# Altium PCB MiniPC.PcbDoc (part 20 of 23) (continued)
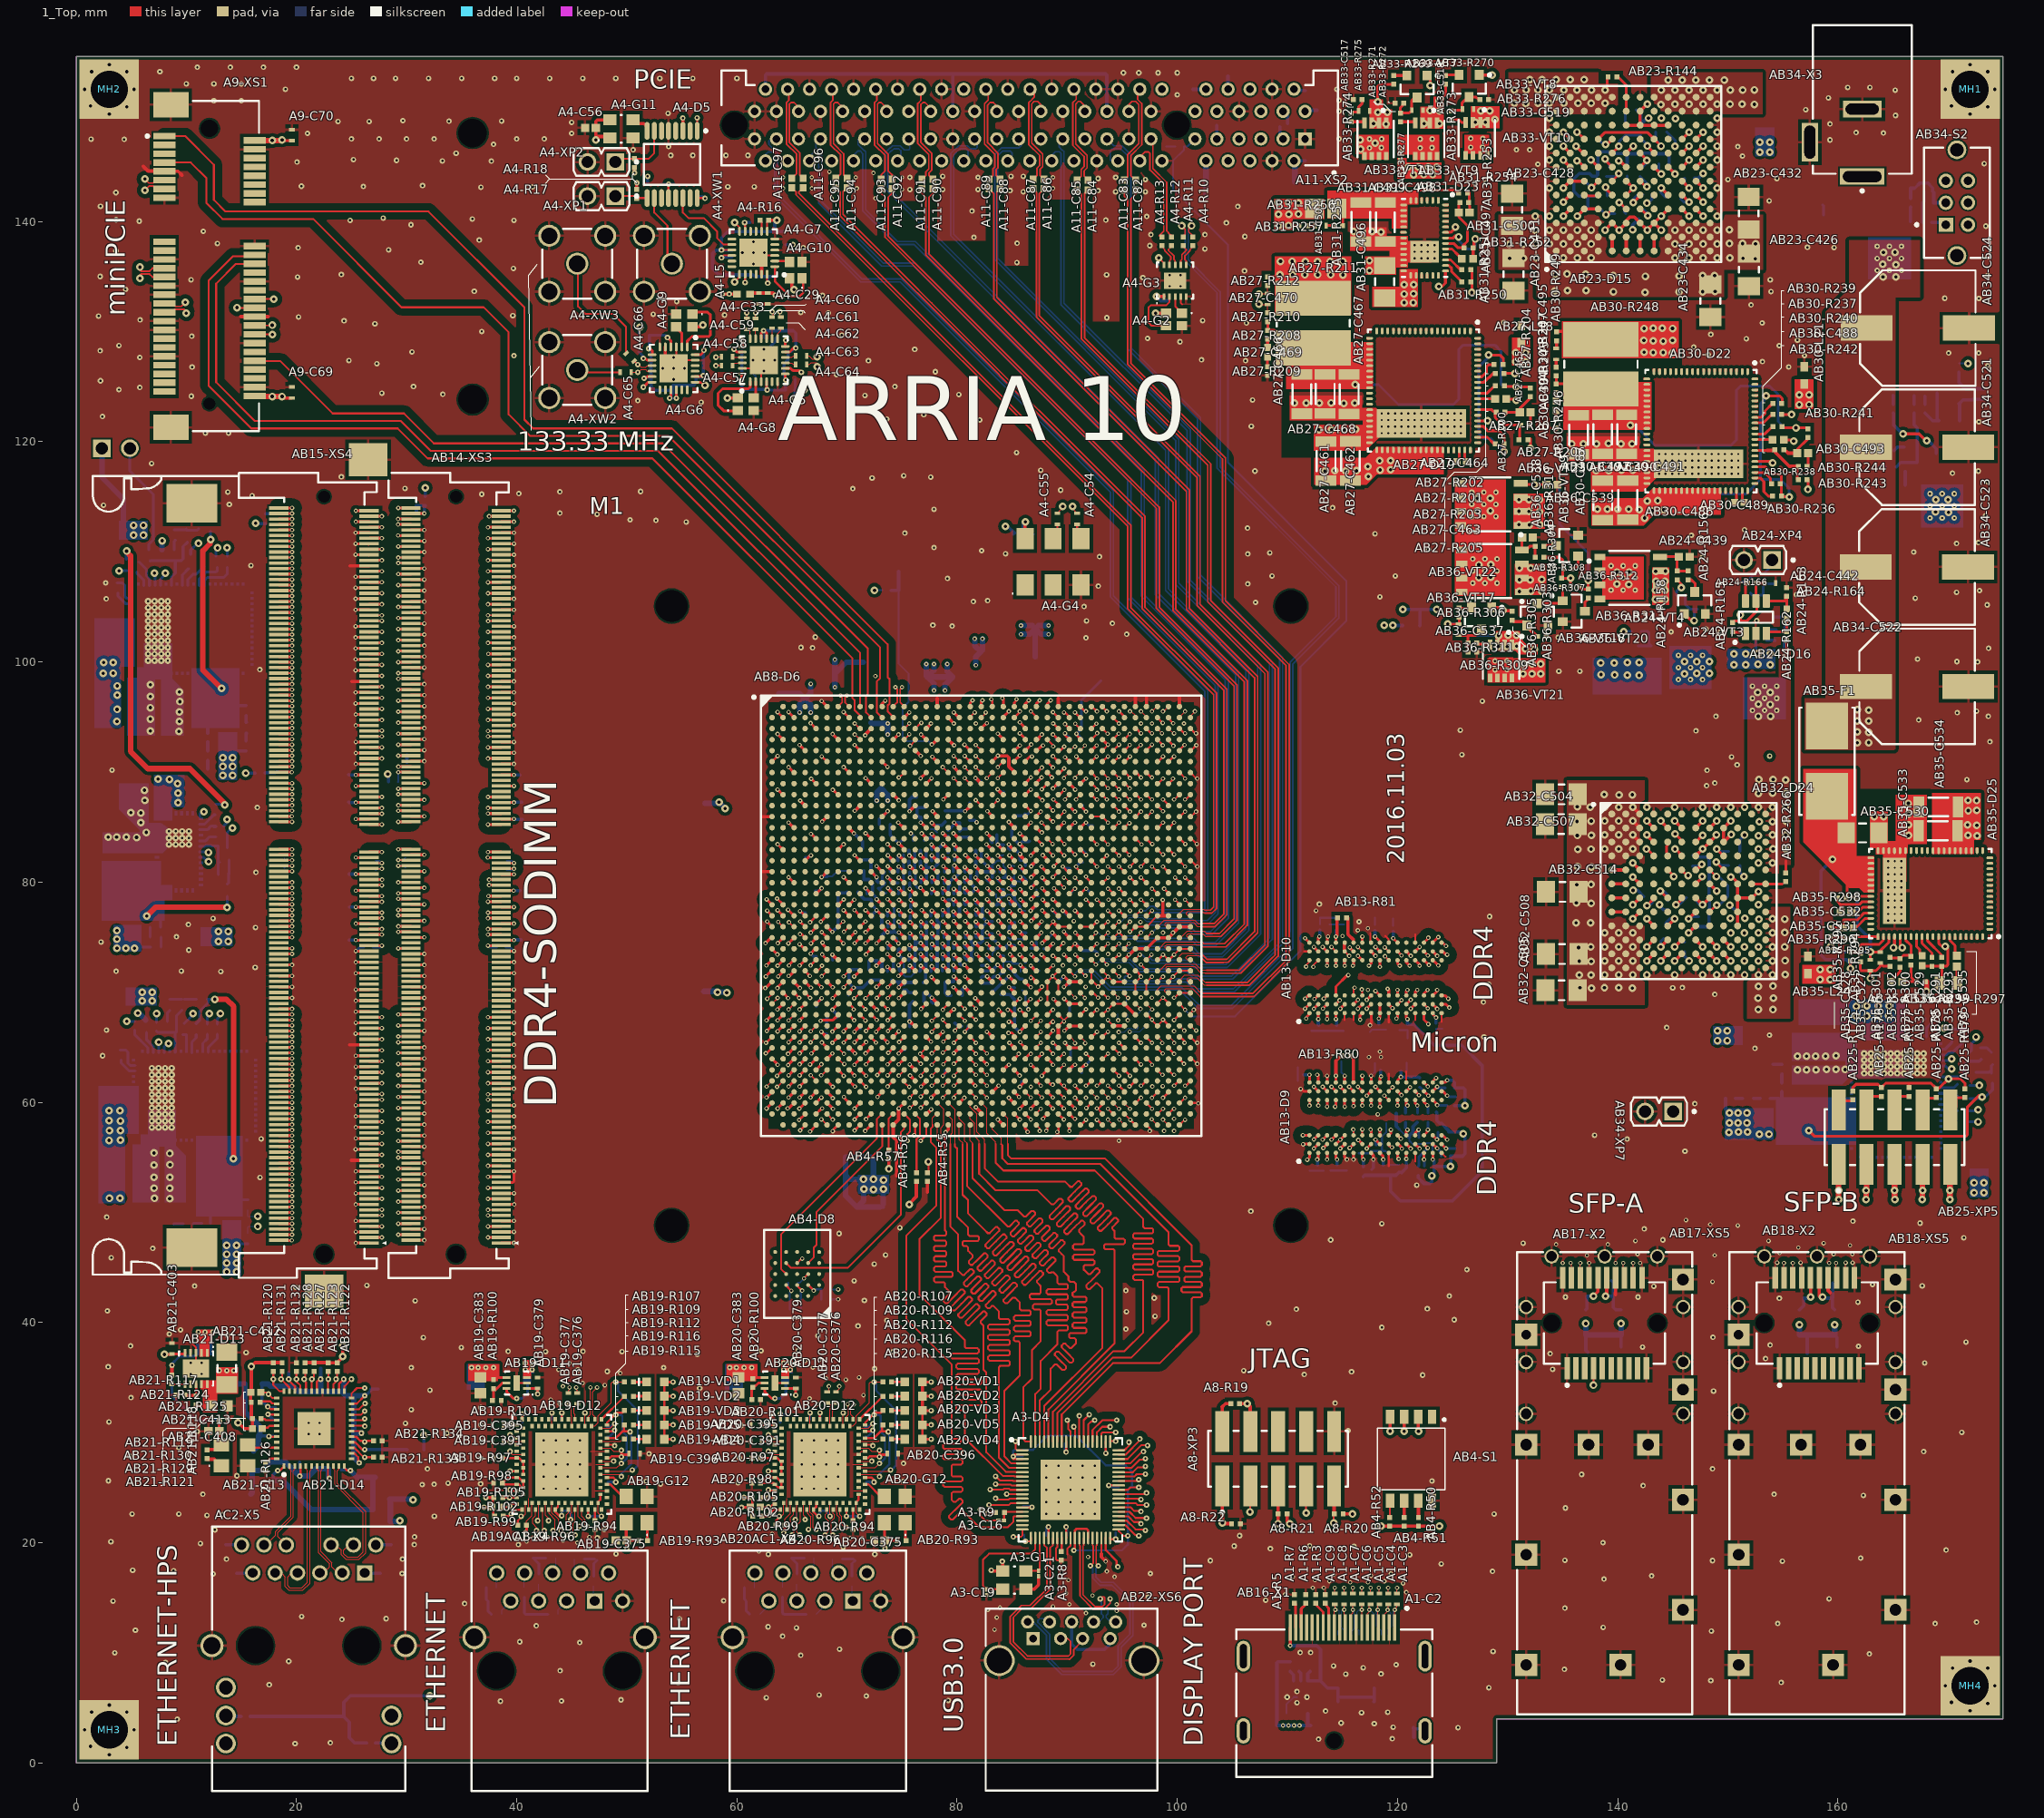
[diagram p0: 1_Top view]
## Nets (pads, with @x,y where several pads share a name; then routed paths per layer and width w, separated by ;. In a path a pad name is that pad's centre, name@x,y a point inside that pad or via, vN(x,y) a via of type N, cw(c..) or ccw(c..) an arc to the next point about the centre after c; other vN are vias at no path point) (continued)
NetAB27-D19_66: AB27-D19.66 AB27-R203.1 | length 1.8
  1_Top w0.25: AB27-D19.66@127.24,124.41 128.145,124.41 AB27-R203.1@128.795,125.06
NetAB27-D19_68: AB27-D19.68 AB27-R201.1 | length 1.7
  1_Top w0.254: AB27-D19.68@127.265,125.395 127.865,125.395 AB27-R201.1@128.665,126.195
NetAB27-D19_69: AB27-D19.69 AB27-R202.2 | length 2.1
  1_Top w0.254: AB27-D19.69@127.265,125.895 127.665,125.895 128.065,126.295 128.065,126.795 128.265,126.995 AB27-R202.2@128.665,126.995
NetAB28-C473_2: AB28-C473.2 AB28-D20.57 | length 1.8
  16_Bottom w0.25: AB28-D20.57@9.65,106.91 9.65,107.91 AB28-C473.2@10.2,108.46
NetAB28-C474_1: AB28-C474.1 AB28-D20.47 | length 2.5
  16_Bottom w0.25: AB28-C474.1@3.7,107.16 4.2,107.16 4.4,106.96 4.4,105.96 4.6,105.76 AB28-D20.47@5.055,105.76
NetAB28-C474_2: AB28-C474.2 AB28-D20.46 | length 1.8
  16_Bottom w0.25: AB28-C474.2@3.8,106.26 3.8,105.96 4.5,105.26 4.8,105.26 AB28-D20.46@5.055,105.26
NetAB28-C475_1: AB28-C475.1 AB28-R218.2 AB28-R219.1 | length 2.3
  16_Bottom w0.25: AB28-C475.1@8.9,112 9.94,112 AB28-R219.1@10,112.06 ; AB28-R219.1@10,111.96 11,111.96 AB28-R218.2@11.1,112.06
NetAB28-C475_2: AB28-C475.2 AB28-R221.1 | length 0.9
  16_Bottom w0.25: AB28-R221.1@8.9,110.2 8.9,110.96 AB28-C475.2@9,111.06
NetAB28-C476_2: AB28-C476.2 AB28-C477.2 AB28-D20.16 AB28-D20.17 AB28-D20.18 AB28-D20.19 AB28-D20.20 AB28-D20.21 AB28-D20.22 AB28-D20.23 AB28-D20.24 AB28-R217.2 AB28-R218.1 AB28-R223.1 AB28-R224.2 AB28-R226.2 | length 19.3
  1_Top w0.5: v2@12.15,111.05 12.15,110.736 11.5,110.086 11.5,99.26 13.18,97.58 v2(13.19,97.58)
  16_Bottom w0.25: AB28-R217.2@11.6,109.86 11.6,110.26 12.2,110.86 v2(12.2,111.1) AB28-R218.1@12.2,111.86
  16_Bottom w0.3: AB28-R223.1@11.94,93.54 11.94,94.975 AB28-C476.2@11.995,95.03 ; 14.36,96.03 AB28-R224.2@15.44,96.03
NetAB28-C478_1: AB28-C478.1 AB28-R223.2 | length 0.8
  16_Bottom w0.3: AB28-R223.2@11.94,92.74 11.94,91.94 AB28-C478.1@11.95,91.93
NetAB28-C478_2: AB28-C478.2 AB28-R225.2 | length 0.8
  16_Bottom w0.3: AB28-C478.2@11.95,91.05 11.95,90.26 AB28-R225.2@11.96,90.25
NetAB28-C479_1: AB28-C479.1 AB28-R227.1 | length 0.7
  16_Bottom w0.3: AB28-R227.1@15.44,92.82 15.44,93.48 AB28-C479.1@15.45,93.49
NetAB28-C479_2: AB28-C479.2 AB28-R224.1 | length 0.6
  16_Bottom w0.3: AB28-R224.1@15.44,95.13 15.44,94.5 AB28-C479.2@15.45,94.49
NetAB28-D20_50: AB28-D20.50 AB28-R215.1 | length 1.5
  16_Bottom w0.25: AB28-R215.1@5.5,108.16 5.5,108.06 6.025,107.535 6.15,107.41 AB28-D20.50@6.15,106.91
NetAB28-D20_51: AB28-D20.51 AB28-R213.1 | length 2.5
  16_Bottom w0.25: AB28-R213.1@5.7,109.06 6.375,108.385 6.375,107.785 6.65,107.51 AB28-D20.51@6.65,106.91
NetAB28-D20_55: AB28-D20.55 AB28-R219.2 AB28-R220.2 AB28-R221.2 AB28-R222.2 | length 7.1
  16_Bottom w0.25: AB28-R222.2@6.7,109.16 6.74,109.2 7.8,109.2 8.9,109.2 9.54,109.2 9.7,109.36 9.7,110.46 AB28-R219.2@10.1,110.86 ; AB28-D20.55@8.65,106.91 8.65,107.71 9,108.06 AB28-R221.2@9,109.16
NetAB28-D20_58: AB28-D20.58 AB28-R217.1 | length 2.5
  16_Bottom w0.25: AB28-D20.58@10.15,106.91 10.15,107.51 10.6,107.96 10.9,107.96 11.6,108.66
NetAB28-D20_60: AB28-D20.60 AB28-R214.1 | length 2.9
  16_Bottom w0.25: AB28-D20.60@11.15,106.91 11.15,107.51 11.8,108.16 12.7,108.16 12.8,108.26 AB28-R214.1@12.8,108.56
NetAB28-D20_61: AB28-D20.61 AB28-R216.2 | length 3.4
  16_Bottom w0.25: AB28-D20.61@11.65,106.91 11.65,107.41 11.9,107.66 13.4,107.66 13.7,107.96 AB28-R216.2@13.7,108.56
NetAB28-R213_2: AB28-R213.2 AB29-R228.1 | length 30.6
  1_Top w0.5: v2(4.572,110.058) 4.572,109.988 4.928,109.632 4.928,91.872 6.5,90.3 10.32,90.3 13.5,87.12 v2(13.5,87)
  16_Bottom w0.25: AB28-R213.2@4.55,109.3 4.55,110.036 v2(4.572,110.058) ; AB29-R228.1@12.7,87.05 13.45,87.05 v2(13.5,87)
NetAB28-R222_1: AB28-R222.1 AB28-XP6.2 | length 10.2
  16_Bottom w0.25: AB28-XP6.2@4.87,119.4 4.87,117.33 7,115.2 7,111.089 6.6,110.689 AB28-R222.1@6.6,110.2
NetAB29-C481_2: AB29-C481.2 AB29-D21.30 | length 1.6
  16_Bottom w0.25: AB29-D21.30@11.225,83.75 11.75,83.75 12.1,84.1 AB29-C481.2@12.69,84.1 AB29-C481.2@12.7,84.1
NetAB29-C484_1: AB29-C484.1 AB29-D21.31 AB29-R230.2 AB29-R231.1 | length 4.5
  16_Bottom w0.25: AB29-D21.31@11.225,83.25 11.666,83.25 11.741,83.325 12.259,83.325 12.319,83.265 12.9,83.265 AB29-R230.2@12.9,83.1 12.9,81.9 AB29-C484.1@12.91,81.89 ; AB29-R231.1@12.9,80.7 12.91,80.71 AB29-C484.1@12.91,81.89 ; AB29-C484.1@12.91,82 AB29-C484.1@12.91,81.89 ; AB29-C484.1@13,81.8 AB29-C484.1@12.91,81.89
NetAB29-C484_2: AB29-C484.2 AB29-R231.2 AB29-R232.2 | length 2.4
  16_Bottom w0.25: AB29-R232.2@13.7,79.8 13.85,79.95 AB29-R231.2@13.85,80.8 ; AB29-C484.2@13.89,82 13.89,80.71 AB29-R231.2@13.9,80.7
NetAB29-C485_1: AB29-C485.1 AB29-R233.1 | length 0.9
  16_Bottom w0.25: AB29-C485.1@6.7,75 AB29-R233.1@6.7,75.9
NetAB29-C485_2: AB29-C485.2 AB29-R235.1 | length 0.9
  16_Bottom w0.25: AB29-R235.1@7.7,74.1 AB29-C485.2@7.7,75
NetAB29-D21_27: AB29-D21.27 AB29-R228.2 | length 1.7
  16_Bottom w0.25: AB29-D21.27@11.225,85.25 11.65,85.25 12.5,86.1 AB29-R228.2@12.6,86.1
NetAB29-D21_28: AB29-D21.28 AB29-R229.2 | length 1.9
  16_Bottom w0.25: AB29-D21.28@11.225,84.75 11.916,84.75 12.266,85.1 AB29-R229.2@12.6,85.1 12.7,85.1 12.7,85 AB29-R229.2@12.5,85
NetAB29-R234_1: AB29-R234.1 AB29-R235.2 | length 3
  16_Bottom w0.25: v2(4.5,74) 4.5,74.775 AB29-R234.1@5,75.275 ; v2(5.3,74) 5.4,74.1 AB29-R235.2@6.75,74.1
  other v2: 3.7,74 3.7,74.8 3.7,75.6
NetAB30-C488_2: AB30-C488.2 AB30-D22.65 | length 1.6
  1_Top w0.25: AB30-D22.65@152.445,120.2 153.845,120.2 AB30-C488.2@153.985,120.06
NetAB30-C489_1: AB30-C489.1 AB30-D22.55 | length 1.1
  1_Top w0.25: AB30-D22.55@151.295,115.55 151.295,114.69 AB30-C489.1@151.485,114.5
NetAB30-C489_2: AB30-C489.2 AB30-D22.54 | length 1.1
  1_Top w0.25: AB30-C489.2@150.605,114.5 150.795,114.69 AB30-D22.54@150.795,115.55
NetAB30-C490_2: AB30-C490.2 AB30-C491.2 AB30-C492.2 AB30-D22.20 AB30-D22.21 AB30-D22.22 AB30-D22.23 AB30-D22.24 AB30-D22.25 AB30-D22.26 AB30-D22.27 AB30-D22.28 AB30-R240.2 AB30-R241.1 AB30-R245.1 AB30-R247.2 AB30-R248.2 | length 30.9
  1_Top w0.25: AB30-R247.2@134.42,125.92 134.42,125.26 AB30-R245.1@134.41,125.25 138,125.25 AB30-R248.2@138.47,124.78 ; AB30-R240.2@155,121.35 155.091,121.26 v2(156.18,121.26) AB30-R241.1@157.27,121.26
  16_Bottom w0.25: v2(141.14,121.48) 141.56,121.48 143.38,119.66 150.27,119.66 150.77,120.16 150.77,124.66 151.17,125.06 153.79,125.06 154.57,124.28 154.57,121.84 155.15,121.26 v2(156.18,121.26)
NetAB30-C493_1: AB30-C493.1 AB30-R241.2 AB30-R242.1 | length 3
  1_Top w0.25: AB30-C493.1@156.305,118.96 156.305,119.295 AB30-R241.2@157.27,120.26
  1_Top w0.3: AB30-R242.1@155.17,119.26 155.47,118.96 AB30-C493.1@156.305,118.96
NetAB30-C493_2: AB30-C493.2 AB30-R244.1 | length 1.2
  1_Top w0.25: AB30-C493.2@157.285,118.96 157.285,117.77 AB30-R244.1@157.295,117.76
NetAB30-C494_1: AB30-C494.1 AB30-R245.2 | length 0.8
  1_Top w0.3: AB30-C494.1@134.41,123.69 AB30-R245.2@134.41,124.45
NetAB30-C494_2: AB30-C494.2 AB30-R246.2 | length 0.8
  1_Top w0.3: AB30-R246.2@134.41,122.03 AB30-C494.2@134.41,122.81
NetAB30-C495_1: AB30-C495.1 AB30-R247.1 | length 0.6
  1_Top w0.3: AB30-C495.1@134.41,127.46 134.41,126.83 AB30-R247.1@134.42,126.82
NetAB30-C495_2: AB30-C495.2 AB30-R249.1 | length 0.7
  1_Top w0.3: AB30-C495.2@134.41,128.46 134.43,128.48 AB30-R249.1@134.43,129.12
NetAB30-D22_58: AB30-D22.58 AB30-R236.1 | length 2.8
  1_Top w0.25: AB30-D22.58@152.445,116.7 152.93,116.7 153.27,116.36 153.27,115.46 153.67,115.06 AB30-R236.1@154.07,115.06
NetAB30-D22_59: AB30-D22.59 AB30-R238.2 | length 2.1
  1_Top w0.25: AB30-D22.59@152.445,117.2 153.33,117.2 153.87,116.66 AB30-R238.2@153.87,116.16
NetAB30-D22_63: AB30-D22.63 AB30-R242.2 AB30-R243.1 AB30-R244.2 | length 5.8
  1_Top w0.25: AB30-D22.63@152.445,119.2 153.57,119.2 ; AB30-R243.1@156.295,116.56 AB30-R244.2@156.295,117.76
  1_Top w0.3: 153.57,119.2 154.11,119.2 154.17,119.26 154.17,119.16 155.57,117.76 AB30-R244.2@156.295,117.76
NetAB30-D22_66: AB30-D22.66 AB30-R240.1 | length 1.8
  1_Top w0.25: AB30-D22.66@152.445,120.7 153.35,120.7 AB30-R240.1@154,121.35
NetAB30-D22_68: AB30-D22.68 AB30-R237.1 | length 1.9
  1_Top w0.25: AB30-D22.68@152.445,121.7 153.21,121.7 153.97,122.46 AB30-R237.1@154.045,122.46
NetAB30-D22_69: AB30-D22.69 AB30-R239.2 | length 2.3
  1_Top w0.25: AB30-D22.69@152.445,122.2 153.01,122.2 153.37,122.56 153.37,122.785 AB30-R239.2@154.045,123.46
NetAB31-C497_2: AB31-C497.2 AB31-D23.30 | length 1.4
  1_Top w0.25: AB31-D23.30@124.35,137.5 124.95,137.5 AB31-C497.2@125.55,136.9
NetAB31-C498_2: AB31-C498.2 AB31-C499.2 AB31-D23.5 AB31-D23.6 AB31-D23.7 AB31-D23.8 AB31-D23.9 AB31-D23.10 AB31-D23.11 AB31-R254.1 AB31-R255.2 AB31-R256.1 | length 5.7
  1_Top w0.25: AB31-R256.1@114.485,141.18 115.03,140.635 AB31-R255.2@115.03,139.61 ; 121.71,142.65 121.89,142.83 125.22,142.83 AB31-R254.1@125.45,142.6
NetAB31-C500_1: AB31-C500.1 AB31-D23.31 AB31-R252.2 AB31-R253.1 | length 6.3
  1_Top w0.25: AB31-D23.31@124.35,138 125.1,138 125.5,137.6 125.95,137.6 125.95,137.8 126.35,138.2 126.35,139.59 126.36,139.6 125.56,140.4 AB31-C500.1@125.56,140.8 125.56,141.51 AB31-R253.1@125.65,141.6
NetAB31-C500_2: AB31-C500.2 AB31-R253.2 AB31-R254.2 | length 1.8
  1_Top w0.25: AB31-R254.2@126.45,142.7 126.5,142.65 126.5,141.7 AB31-R253.2@126.5,141.5 ; AB31-C500.2@126.54,140.8 126.55,140.81 126.55,141.4 126.54,141.39
NetAB31-C501_1: AB31-C501.1 AB31-R255.1 | length 0.6
  1_Top w0.25: AB31-C501.1@113.52,139.62 114.12,139.62 AB31-R255.1@114.13,139.61
NetAB31-C501_2: AB31-C501.2 AB31-R257.1 | length 0.6
  1_Top w0.25: AB31-R257.1@111.89,139.61 112.51,139.61 AB31-C501.2@112.52,139.62
NetAB31-D23_27: AB31-D23.27 AB31-R250.2 | length 2.3
  1_Top w0.25: AB31-D23.27@124.35,136 124.664,136 124.925,135.739 124.925,135.425 AB31-R250.2@125.85,134.5
NetAB31-D23_28: AB31-D23.28 AB31-R251.2 | length 1.9
  1_Top w0.25: AB31-D23.28@124.35,136.5 124.831,136.5 125.831,135.5 AB31-R251.2@125.85,135.5
NetAB31-R256_2: AB31-R256.2 AB31-R257.2 AB36-C537.2 AB36-R306.2 AB36-VT21.1 AB36-VT21.2 AB36-VT21.3 | length 8.4
  1_Top w0.25: v2(110.09,139.63) 110.11,139.61 AB31-R257.2@110.99,139.61 ; v2(124.56,103.45) 124.6,103.41 AB36-C537.2@125.55,103.41 125.59,103.45 AB36-R306.2@125.59,104.07
  16_Bottom w0.25: v2(124.56,103.45) 125.36,103.45 126.321,102.489 126.332,102.5 126.442,102.39 v2(129.17,102.39) 129.6,102.39 129.71,102.5 v2@129.81,102.4
  other v2: 132.41,101.15 131.62,101.18 129.96,101.38 129.17,101.4 130.81,101.42 130.8,102.4 130.03,102.42 109.2,139.62 109.2,140.64 110.12,140.64 111.01,140.67 111.01,141.68 109.16,141.72 110.09,141.71
NetAB32-C506_1: AB32-C506.1 AB32-R261.2 | length 1
  16_Bottom w0.25: AB32-R261.2@150.89,78.295 150.89,79.235 AB32-C506.1@150.95,79.295
NetAB32-D24_C5: AB32-D24.C5 AB32-D24.D5 | length 1.3
  1_Top w0.25: AB32-D24.D5@144.535,82.37 144.535,82.579 144.45,82.664 144.45,83.286 144.535,83.371 AB32-D24.C5@144.535,83.64
NetAB32-D24_E1: AB32-D24.E1 AB32-D24.E2 | length 1.3
  1_Top w0.3: AB32-D24.E1@139.455,81.1 AB32-D24.E2@140.725,81.1
NetAB32-D24_F1: AB32-D24.F1 AB32-D24.F2 | length 1.3
  1_Top w0.3: AB32-D24.F1@139.455,79.83 AB32-D24.F2@140.725,79.83
NetAB32-D24_F11: AB32-D24.F11 AB32-D24.F12 AB32-R266.1 | length 2.8
  1_Top w0.25: AB32-D24.F11@152.155,79.83 AB32-D24.F12@153.425,79.83 154.925,79.83
NetAB32-D24_G1: AB32-D24.G1 AB32-D24.G2 | length 1.3
  1_Top w0.3: AB32-D24.G1@139.455,78.56 AB32-D24.G2@140.725,78.56
NetAB32-D24_G4: AB32-D24.G4 AB32-R262.2 | length 2.2
  1_Top w0.25: v2(142.66,77.875) 143.265,78.481 AB32-D24.G4@143.265,78.56
  16_Bottom w0.25: v2@142.56,77.776 v2(142.66,77.875) v2@142.845,77.875 ; v2@142.845,77.875 v2@142.965,77.995
  16_Bottom w0.254: v2@142.965,77.995 143.165,78.195 AB32-R262.2@143.165,78.695
NetAB32-D24_G5: AB32-D24.G5 AB32-R264.1 | length 2.3
  1_Top w0.25: v2(143.86,79.175) 144.475,78.56 AB32-D24.G5@144.535,78.56
  16_Bottom w0.254: v2(143.86,79.175) 144.185,79.175 144.565,78.795 AB32-R264.1@144.565,78.295
NetAB32-D24_G6: AB32-D24.G6 AB32-R265.1 | length 2.1
  1_Top w0.25: v2(145.299,77.936) 145.805,78.443 AB32-D24.G6@145.805,78.56
  16_Bottom w0.25: v2@145.299,77.954 v2(145.299,77.936) 145.499,77.936 145.54,77.895 AB32-R265.1@146.24,78.595
NetAB32-D24_H1: AB32-D24.H1 AB32-D24.H2 | length 1.3
  1_Top w0.3: AB32-D24.H1@139.455,77.29 AB32-D24.H2@140.725,77.29
NetAB32-D24_J5: AB32-D24.J5 AB32-R260.1 | length 2.2
  1_Top w0.3: AB32-D24.J5@144.535,76.02 v2(145.17,76.655)
  16_Bottom w0.25: 144.77,76.695 145.13,76.695 v2(145.17,76.655)
  16_Bottom w0.254: AB32-R260.1@144.36,75.985 144.36,76.285 144.77,76.695
NetAB32-D24_K5: AB32-D24.K5 AB32-R260.2 | length 1.8
  1_Top w0.3: v2(143.9,74.115) AB32-D24.K5@144.535,74.75
  16_Bottom w0.254: v2(143.9,74.115) 143.9,74.6 AB32-R260.2@144.185,74.885
NetAB32-D24_K6: AB32-D24.K6 AB32-R263.1 | length 2
  1_Top w0.3: v2(145.17,74.115) AB32-D24.K6@145.805,74.75
  16_Bottom w0.25: v2(145.17,74.115) 145.59,74.535 AB32-R263.1@146.06,74.535
NetAB33-C517_1: AB33-C517.1 AB33-R274.1 AB33-R275.2 | length 2
  1_Top w0.25: AB33-R274.1@115.77,149.85 115.87,149.95 116.37,149.95 AB33-C517.1@116.47,150.05 116.47,150.42 116.8,150.75 116.8,150.92 AB33-R275.2@116.67,151.05
NetAB33-C518_1: AB33-C518.1 AB33-R271.1 AB33-R272.2 AB33-VT7.3 | length 3.6
  1_Top w0.25: AB33-R272.2@120.57,150.65 120.27,150.35 AB33-R271.1@120.27,149.85 121.05,149.85 AB33-C518.1@121.3,150.1 121.3,150.98 AB33-VT7.3@121.77,151.45
NetAB33-C519_1: AB33-C519.1 AB33-R273.1 AB33-R276.2 AB33-VT8.3 | length 3.5
  1_Top w0.25: AB33-R273.1@124.77,150.15 124.82,150.1 125.8,150.1 AB33-C519.1@125.9,150.2 ; AB33-C519.1@125.87,150.25 125.87,150.77 126.4,151.3 AB33-VT8.3@126.5,151.3 127.12,151.3 AB33-R276.2@127.37,151.05
NetAB33-R269_1: AB33-R269.1 AB33-VT7.2 | length 1.2
  1_Top w0.25: AB33-R269.1@119.67,153.25 AB33-VT7.2@120.855,153.25
NetAB33-R270_1: AB33-R270.1 AB33-VT8.2 | length 1.2
  1_Top w0.25: AB33-R270.1@124.37,153.35 124.42,153.3 AB33-VT8.2@125.585,153.3
NetAB33-R271_2: AB33-R271.2 AB33-VT9.4 | length 1.3
  1_Top w0.25: AB33-R271.2@120.27,149.05 AB33-VT9.4@121.57,149.05
NetAB33-R273_2: AB33-R273.2 AB33-VT10.4 | length 1.3
  1_Top w0.25: AB33-R273.2@124.97,149.25 125.55,149.25 125.815,148.985 AB33-VT10.4@126.2,148.985
NetAB33-R274_2: AB33-R274.2 AB33-VT11.4 | length 1.3
  1_Top w0.25: AB33-R274.2@115.77,148.95 115.87,149.05 116.895,149.05 AB33-VT11.4@117.01,148.935
NetAB33-R277_2: AB33-R277.2 AB33-VT9.5 AB33-VT9.6 AB33-VT9.7 AB33-VT9.8
  other v5: 122.05,146.675 123.125,146.7 122.05,147.482 123.15,147.482
NetAB33-VT7_1: AB33-VT7.1 AB34-R278.1 | length 73.5
  1_Top w0.25: AB33-VT7.1@122.685,153.25 122.97,152.965 v2(122.97,152.35)
  10_int9_(sign) w0.3: v2(122.97,152.35) 122.97,152.87 124.05,153.95 153.55,153.95 155.7,151.8 155.7,134.1 158.4,131.4 168.2,131.4 171.8,127.8 v2(171.8,127.1)
  16_Bottom w0.17: AB34-R278.1@171,127.1 v2(171.8,127.1)
NetAB34-C520_2: AB34-C520.2 AB34-R278.2 AB34-R279.2 AB34-VT12.1 | length 3.4
  16_Bottom w0.3: AB34-R278.2@171,126.3 AB34-VT12.1@171,125.35 171.55,124.8 AB34-C520.2@172.2,124.8 173.15,124.8 AB34-R279.2@173.2,124.75
NetAB34-C525_1: AB34-C525.1 AB34-R286.1 AB34-R287.1 AB34-R290.2 AB34-S2.2 | length 5.8
  16_Bottom w0.3: AB34-R287.1@166.6,142.1 AB34-R287.1@166.6,142.2 AB34-R290.2@166.6,143.018 166.918,143.018 166.931,143.031 167,143.031 167.469,143.5 168.131,143.5 168.6,143.031 AB34-R286.1@168.6,142.7 168.7,142.6 AB34-C525.1@168.7,141.7 AB34-S2.2@169.8,141.7
NetAB34-C525_2: AB34-C525.2 AB34-R282.2 AB34-R286.2 AB34-VD6.2 AB34-VT15.1 AB34-VT15.2 AB34-VT15.3 AB34-X3.1 | length 4.6
  16_Bottom w0.254: AB34-VD6.2@158.6,141.5 158.7,141.4 AB34-VD6.2@158.7,140.6 ; AB34-X3.1@162.2,144.079 AB34-X3.1@162.76,143.519
  16_Bottom w0.3: AB34-R282.2@167.7,139.9 AB34-C525.2@167.7,141.7 167.8,141.8 AB34-R286.2@167.8,142.7
NetAB34-C526_1: AB34-C526.1 AB34-R284.1 AB34-R285.2 AB34-R289.1 AB34-VT14.2 | length 6.7
  16_Bottom w0.3: AB34-C526.1@165.3,117.7 165.7,118.1 AB34-R289.1@166.1,118.1 167.2,118.1 167.2,121.25 AB34-VT14.2@166.95,121.5 166.9,121.55 AB34-R284.1@166.9,122.6
NetAB34-R280_1: AB34-R280.1 AB34-VT12.3 AB34-VT13.1 | length 4.1
  16_Bottom w0.3: AB34-R280.1@167.9,122.6 168.6,121.9 AB34-VT13.1@169.15,121.9 169,122.05 AB34-VT12.3@169,124.4
NetAB34-R281_1: AB34-R281.1 AB34-R283.2 AB34-VT14.1 | length 6.4
  1_Top w0.3: v2(165.9,120.7) 167.35,120.7 168.05,120 v2(168.05,120.1)
  16_Bottom w0.3: AB34-R281.1@165,122.6 165.05,122.55 AB34-VT14.1@165.05,121.5 165.85,120.7 v2(165.9,120.7) ; v2(168.05,120.1) 168.175,120.1 168.925,119.35 AB34-R283.2@168.925,118.95
NetAB34-R282_1: AB34-R282.1 AB34-S2.1 | length 1.4
  16_Bottom w0.3: AB34-R282.1@168.5,139.9 169.6,139.9 AB34-S2.1@169.8,139.7
NetAB34-R283_1: AB34-R283.1 AB34-VT13.3 | length 1.3
  16_Bottom w0.3: AB34-R283.1@169.725,118.95 169.725,119.525 AB34-VT13.3@170.1,119.9 AB34-VT13.3@170.331,119.9
NetAB34-R287_2: AB34-R287.2 AB34-VT15.4 | length 1.3
  16_Bottom w0.3: AB34-VT15.4@166.57,140 166.57,141.27 AB34-R287.2@166.6,141.3
NetAB34-R288_1: AB34-R288.1 AB34-VT14.3 | length 1
  16_Bottom w0.3: AB34-R288.1@165.1,119.2 165.4,119.5 AB34-VT14.3@166,119.5
NetAB34-R289_2: AB34-R289.2 AB34-VT16.4 | length 1.2
  16_Bottom w0.3: AB34-VT16.4@166.1,116.07 AB34-R289.2@166.1,117.3
NetAB35-C527_1: AB35-C527.1 AB35-C528.2 AB35-D25.42 AB35-D25.51 AB35-R295.2 AB35-R296.1 | length 16.1
  1_Top w0.25: v2(159.334,74.15) 159.334,74.95 160.634,74.95 AB35-R295.2@160.734,74.85 ; v2@161.634,78.65 161.685,78.7 AB35-D25.42@162.985,78.7 ; AB35-C528.2@162.934,72.95 v2@162.934,73.55 ; v2(162.934,73.65) 163.734,73.65 163.784,73.7 164.634,74.55 AB35-D25.51@164.634,75.05
  16_Bottom w0.3: v2(159.334,74.15) 159.834,73.65 v2(162.934,73.65) 162.934,74.806 161.734,76.006 v2(161.734,78.65)
NetAB35-C529_2: AB35-C529.2 AB35-D25.56 | length 1.7
  1_Top w0.25: AB35-D25.56@167.134,75.05 167.134,74.15 167.434,73.85 AB35-C529.2@167.434,73.45
NetAB35-C530_2: AB35-C530.2 AB35-D25.35 AB35-D25.36 AB35-D25.37 AB35-D25.38 AB35-D25.39 AB35-D25.40 AB35-D25.41 AB35-F1.1 AB35-R292.1 AB35-R298.1 | length 14.8
  1_Top w0.25: AB35-R298.1@160.834,78.55 160.834,80.15 ; v2(161.134,72.15) AB35-R292.1@161.134,72.85
  16_Bottom w0.3: v2(159.51,82.05) 158.47,81.01 158.47,73.37 158.88,72.96 160.745,72.96 161.134,72.571 v2(161.134,72.15)
NetAB35-C531_1: AB35-C531.1 AB35-D25.46 | length 2
  1_Top w0.25: AB35-C531.1@161.334,75.95 161.734,75.95 162.484,76.7 AB35-D25.46@162.984,76.7
NetAB35-C531_2: AB35-C531.2 AB35-D25.45 AB35-R296.2 | length 4.4
  1_Top w0.25: AB35-R296.2@159.534,75.85 160.434,75.85 160.514,75.93 160.514,76.55 161.734,76.55 162.384,77.2 AB35-D25.45@162.984,77.2
NetAB35-C532_1: AB35-C532.1 AB35-D25.44 | length 1.9
  1_Top w0.25: AB35-C532.1@161.224,77.25 161.784,77.25 162.234,77.7 AB35-D25.44@162.984,77.7
NetAB35-C532_2: AB35-C532.2 AB35-D25.43 AB35-R298.2 | length 4.2
  1_Top w0.25: AB35-R298.2@159.934,78.45 159.934,78.25 160.235,77.95 ; AB35-C532.2@160.244,77.25 160.244,77.94 160.235,77.95 ; AB35-D25.43@162.984,78.2 162.168,78.2 161.918,77.95 160.235,77.95
NetAB35-C535_1: AB35-C535.1 AB35-R297.2 | length 1.5
  1_Top w0.25: AB35-C535.1@170.805,72.32 170.805,70.879 AB35-R297.2@170.834,70.85
NetAB35-C535_2: AB35-C535.2 AB35-D25.62 | length 1.8
  1_Top w0.25: AB35-D25.62@170.135,75.05 170.134,74.734 170.634,74.234 AB35-C535.2@170.634,73.45
NetAB35-C536_1: AB35-C536.1 AB35-R302.2 | length 1.6
  1_Top w0.25: AB35-C536.1@164.734,70.95 165.634,71.85 AB35-R302.2@165.634,72.2
NetAB35-C536_2: AB35-C536.2 AB35-R299.1 AB35-R300.2 | length 2.8
  1_Top w0.25: AB35-C536.2@165.834,70.95 AB35-C536.2@165.844,70.95 167.034,70.95 166.634,71.35 AB35-R300.2@166.634,72.35
NetAB35-D25_49: AB35-D25.49 AB35-R295.1 | length 2.1
  1_Top w0.25: AB35-R295.1@161.534,74.95 161.634,75.05 AB35-D25.49@163.634,75.05
NetAB35-D25_50: AB35-D25.50 AB35-R292.2 AB35-R294.2 | length 4.2
  1_Top w0.25: AB35-R292.2@161.134,73.65 161.184,73.6 162.034,73.6 162.034,74.25 162.134,74.35 163.748,74.35 164.134,74.736 AB35-D25.50@164.134,75.05
NetAB35-D25_54: AB35-D25.54 AB35-R300.1 AB35-R301.2 AB35-R302.1 | length 4.1
  1_Top w0.25: AB35-R301.2@164.634,73.15 164.684,73.1 164.734,73.1 AB35-R302.1@165.634,73.1 ; AB35-R302.1@165.634,73.05 165.934,73.35 AB35-R300.1@166.534,73.35 ; AB35-D25.54@166.134,75.05 166.134,74.734 166.634,74.234 166.634,73.45 AB35-R300.1@166.534,73.35 ; AB35-R300.1@166.634,73.35 AB35-R300.1@166.534,73.35
NetAB35-D25_57: AB35-D25.57 AB35-R291.2 | length 2.4
  1_Top w0.25: AB35-D25.57@167.634,75.05 167.634,74.45 168.534,73.55 AB35-R291.2@168.534,73.15 AB35-R291.2@168.534,73.05
NetAB35-D25_58: AB35-D25.58 AB35-R293.2 | length 2.2
  1_Top w0.25: AB35-D25.58@168.134,75.05 168.134,74.65 AB35-R293.2@169.434,73.35
NetAB36-C537_1: AB36-C537.1 AB36-R309.2 AB36-R311.1 AB36-VT17.3 | length 3.8
  1_Top w0.25: AB36-C537.1@125.55,102.41 126.442,102.41 ; AB36-R309.2@126.4,100.9 AB36-R311.1@126.4,101.7 126.4,102.368 126.442,102.41 ; AB36-VT17.3@127.63,102.94 127.1,102.41 126.442,102.41
NetAB36-C538_2: AB36-C538.2 AB36-R308.1 AB36-R310.2 AB36-VT22.4 | length 3.2
  1_Top w0.25: AB36-VT22.4@131.293,110.155 131.293,111.283 AB36-C538.2@131.31,111.3 ; AB36-VT22.4@131.51,110 132.01,110.5 AB36-R310.2@132.5,110.5 ; AB36-R308.1@132.5,109.5 132.5,110.29 AB36-R310.2@132.51,110.3
NetAB36-C539_2: AB36-C539.2 AB36-R312.1 AB36-R313.2 AB36-VT23.4 | length 16.5
  1_Top w0.25: AB36-VT23.4@131.01,116.2 131.11,116.1 v2(132.41,116.1) AB36-C539.2@133.52,116.1 ; AB36-R312.1@136.41,106.9 136.71,106.6 AB36-R313.2@137.31,106.6 v2(137.31,107.4)
  16_Bottom w0.25: v2@132.11,116.1 v2(132.41,116.1) 134.21,116.1 134.71,115.6 134.71,112.5 137.31,109.9 v2(137.31,107.4)
NetAB36-R303_2: AB36-R303.2 AB36-R305.1 AB36-VT18.1 | length 2.7
  1_Top w0.25: AB36-R305.1@130.5,103.65 131.46,103.65 AB36-VT18.1@131.71,103.4
  1_Top w0.3: AB36-VT18.1@131.75,103.3 131.75,103.22 AB36-R303.2@132.66,102.31
NetAB36-R304_1: AB36-R304.1 AB36-VT19.1 | length 1.4
  1_Top w0.25: AB36-R304.1@136.01,108.4 136.4,108.79 AB36-VT19.1@136.4,109.6
NetAB36-R306_1: AB36-R306.1 AB36-VT17.2 | length 1.2
  1_Top w0.25: AB36-R306.1@125.59,104.87 126.645,104.87 AB36-VT17.2@126.715,104.94
NetAB36-R307_1: AB36-R307.1 AB36-VT18.3 AB36-VT20.1 | length 3.7
  1_Top w0.25: AB36-VT18.3@132.7,105.3 134.81,105.3 AB36-VT20.1@135.11,105.6 ; AB36-VT20.1@135.01,105.55 AB36-R307.1@135.01,106.7
NetAB36-R310_1: AB36-R310.1 AB36-VT19.3 | length 0.9
  1_Top w0.25: AB36-R310.1@133.51,110.6 134.35,110.6 AB36-VT19.3@134.4,110.55
NetAB36-R311_2: AB36-R311.2 AB36-VT21.4 | length 1.1
  1_Top w0.25: AB36-R311.2@127.31,101.6 128.345,101.6 AB36-VT21.4@128.41,101.535
NetAB36-R313_1: AB36-R313.1 AB36-VT20.3 | length 1.4
  1_Top w0.25: AB36-VT20.3@137.01,104.6 137.01,105.4 AB36-R313.1@137.41,105.8
NetAC2-R314_2: AC2-R314.2 AC2-X5.14 | length 1.1
  16_Bottom w0.3: AC2-R314.2@27.187,1.825 AC2-X5.14@28.297,1.825
NetAC2-R315_2: AC2-R315.2 AC2-X5.16 | length 1.3
  16_Bottom w0.3: AC2-X5.16@13.697,4.225 AC2-R315.2@14.987,4.225
NetAC2-X5_15: AC2-X5.15
PCIE.CLK_SYN._N: A4-R13.2 A11-XS2.A14 | length 9.7
  1_Top w0.15: A11-XS2.A14@96.6,145.5 96.6,145.867 97.033,146.3 97.4,146.3 97.505,146.195 97.505,144.695 97.65,144.55 98.765,143.435 98.765,139.115 98.475,138.825 98.35,138.7
PCIE.CLK_SYN._P: A4-R12.2 A11-XS2.A13 | length 9.6
  1_Top w0.15: A11-XS2.A13@97.6,147.5 97.775,147.325 97.775,144.807 99.035,143.547 99.035,139.148 99.192,138.992 99.192,138.958 A4-R12.2@99.45,138.7
PCIE.DL.RX0._N: A11-XS2.A17 AB8-D6.AE32 | length 98.4
  1_Top w0.15: AB8-D6.AE32@94.194,71.939 v7(94.7,71.433)
  16_Bottom w0.15: A11-XS2.A17@93.6,147.5 94.23,146.87 94.97,146.87 95.775,146.065 95.775,146.025 95.779,146.021 95.779,145.846 95.775,145.842 95.775,145.158 95.779,145.154 95.779,128.521 102.1,122.2 102.1,107.882 109.565,100.417 109.565,74.383 105.212,70.03 101.688,70.03 101.609,70.109 100.788,70.93 100.042,70.93 99.867,70.755 95.22,70.755 94.7,71.275 v7(94.7,71.433)
PCIE.DL.RX0._P: A11-XS2.A16 AB8-D6.AE33 | length 98.3
  1_Top w0.15: AB8-D6.AE33@95.194,71.939 v7(95.667,71.467)
  16_Bottom w0.15: A11-XS2.A16@94.6,145.5 94,145.5 93.9,145.6 93.9,146.4 94.1,146.6 94.859,146.6 95.505,145.954 95.505,145.046 95.509,145.042 95.509,128.409 101.83,122.088 101.83,107.77 109.295,100.305 109.295,74.495 105.1,70.3 101.8,70.3 100.9,71.2 99.93,71.2 99.755,71.025 95.425,71.025 95.215,71.235 95.215,71.37 95.312,71.467 v7(95.667,71.467)
PCIE.DL.RX1._N: A11-XS2.A22 AB8-D6.AD30 | length 99.4
  1_Top w0.1: AB8-D6.AD30@92.194,72.939 AB8-D6.AD30@92.239,72.939 ; v7(92.6,72.5) v7@92.6,72.579
  1_Top w0.15: AB8-D6.AD30@92.194,72.939 92.554,72.579 v7@92.6,72.579
  16_Bottom w0.1: v7(92.6,72.5) 93.15,73.05 93.926,73.05 94.006,72.97 95.7,72.97
  16_Bottom w0.15: A11-XS2.A22@88.6,145.5 88.6,146 88.93,146.33 89.3,146.33 89.43,146.2 89.43,142.54 89.43,139.918 89.43,134.3 89.43,132.458 100.9,120.988 100.9,107.315 108.23,99.985 108.23,99.97 108.365,99.835 108.365,74.915 104.9,71.45 101.65,71.45 100.975,72.125 96.545,72.125 95.7,72.97
PCIE.DL.RX1._P: A11-XS2.A21 AB8-D6.AD31 | length 99.3
  1_Top w0.15: AB8-D6.AD31@93.194,72.939 93.6,72.533 v7(93.6,72.5)
  16_Bottom w0.1: v7(93.6,72.5) 93.531,72.5 93.391,72.64 93.391,72.735 93.486,72.83 93.835,72.83 93.94,72.725 95.563,72.725 95.588,72.7
  16_Bottom w0.15: A11-XS2.A21@89.6,147.5 89.275,147.175 89.275,146.737 89.542,146.47 89.586,146.47 89.7,146.356 89.7,132.57 101.17,121.1 101.17,107.427 108.5,100.097 108.5,100.082 108.635,99.947 108.635,74.803 105.012,71.18 101.538,71.18 101.459,71.259 100.863,71.855 96.433,71.855 95.588,72.7
PCIE.DL.RX2._N: A11-XS2.A26 AB8-D6.AD34 | length 96.3
  1_Top w0.15: AB8-D6.AD34@96.194,72.939 96.194,72.994 v7(96.6,73.4)
  16_Bottom w0.15: A11-XS2.A26@84.6,145.5 84.6,145.6 85,146 85,146.2 84.8,146.4 84.141,146.4 83.695,145.954 83.695,136.647 100.13,120.212 100.13,107.152 107.57,99.712 107.57,75.288 104.512,72.23 101.573,72.23 101.173,72.63 97.575,72.63 96.805,73.4 v7(96.6,73.4)
PCIE.DL.RX2._P: A11-XS2.A25 AB8-D6.AD35 | length 96.3
  1_Top w0.15: AB8-D6.AD35@97.194,72.939 v7(97.655,73.4)
  16_Bottom w0.15: A11-XS2.A25@85.6,147.5 85.8,147.3 85.8,146.875 85.595,146.67 84.03,146.67 83.425,146.065 83.425,136.535 99.86,120.1 99.86,107.04 107.3,99.6 107.3,75.4 104.4,72.5 101.685,72.5 101.285,72.9 97.695,72.9 97.555,73.04 97.555,73.4 v7(97.655,73.4)
PCIE.DL.RX3._N: A11-XS2.A30 AB8-D6.AC32 | length 98.4
  1_Top w0.15: AB8-D6.AC32@94.194,73.939 94.239,73.939 v7(94.7,74.4)
  16_Bottom w0.1: v7(94.7,74.4) 94.7,74.265 95.204,73.761 95.831,73.761 95.975,73.905 96.54,73.905 96.565,73.88
  16_Bottom w0.15: A11-XS2.A30@80.6,145.5 81,145.9 81,146.4 80.8,146.6 80.249,146.6 79.695,146.046 79.695,138.823 99.2,119.318 99.2,106.613 106.49,99.323 106.49,75.59 104.1,73.2 101.918,73.2 101.618,73.5 101.238,73.88 96.565,73.88
PCIE.DL.RX3._P: A11-XS2.A29 AB8-D6.AC33 | length 98.9
  1_Top w0.1: v7@95.6,74.345 v7(95.6,74.4)
  1_Top w0.15: AB8-D6.AC33@95.194,73.939 95.194,73.994 v7(95.6,74.4)
  16_Bottom w0.1: v7(95.6,74.4) 95.445,74.245 95.445,74.116 95.58,73.981 95.739,73.981 95.884,74.125 96.525,74.125 96.55,74.15
  16_Bottom w0.15: A11-XS2.A29@81.6,147 A11-XS2.A29@81.6,147.5 81.825,147.275 81.825,146.725 81.7,146.6 81.2,146.6 80.93,146.87 80.137,146.87 79.425,146.158 79.425,144.58 79.425,138.711 98.93,119.206 98.93,106.501 106.22,99.211 106.22,75.702 103.988,73.47 102.03,73.47 101.35,74.15 96.55,74.15
PCIE.DL.RX4._N: A11-XS2.A36 AB8-D6.AB30 | length 100.5
  1_Top w0.1: v7@92.6,75.345 v7(92.6,75.4)
  1_Top w0.15: AB8-D6.AB30@92.194,74.939 v7@92.6,75.345
  16_Bottom w0.1: v7(92.6,75.4) 92.845,75.4 93.39,74.855 94.755,74.855 94.78,74.83
  16_Bottom w0.15: A11-XS2.A36@74.6,145.5 74.9,145.8 74.9,146.4 74.7,146.6 74.249,146.6 74.054,146.405 74.005,146.405 73.7,146.1 73.7,143.1 74.708,142.092 76.335,140.465 98.1,118.7 98.27,118.53 98.27,106.228 105.56,98.938 105.56,76.278 103.591,74.309 103.512,74.23 101.788,74.23 101.609,74.409 101.388,74.63 96.37,74.63 96.17,74.83 94.78,74.83
PCIE.DL.RX4._P: A11-XS2.A35 AB8-D6.AB31 | length 100.7
  1_Top w0.1: v7@93.655,75.4 v7(93.7,75.4)
  1_Top w0.15: AB8-D6.AB31@93.194,74.939 v7@93.655,75.4
  16_Bottom w0.1: v7(93.7,75.4) 93.625,75.325 93.625,75.18 93.73,75.075 94.755,75.075 94.78,75.1
  16_Bottom w0.15: A11-XS2.A35@75.6,147.2 A11-XS2.A35@75.6,147.5 75.7,147.4 75.7,146.6 75.6,146.5 75.2,146.5 74.83,146.87 74.137,146.87 73.942,146.675 73.893,146.675 73.43,146.212 73.43,142.988 74.517,141.902 98,118.418 98,106.116 105.29,98.826 105.29,76.39 103.4,74.5 101.9,74.5 101.5,74.9 96.512,74.9 96.312,75.1 94.78,75.1